# Altium PCB STM32MP25XXAK_2_DDR4.PcbDoc (part 1 of 6) (continued)
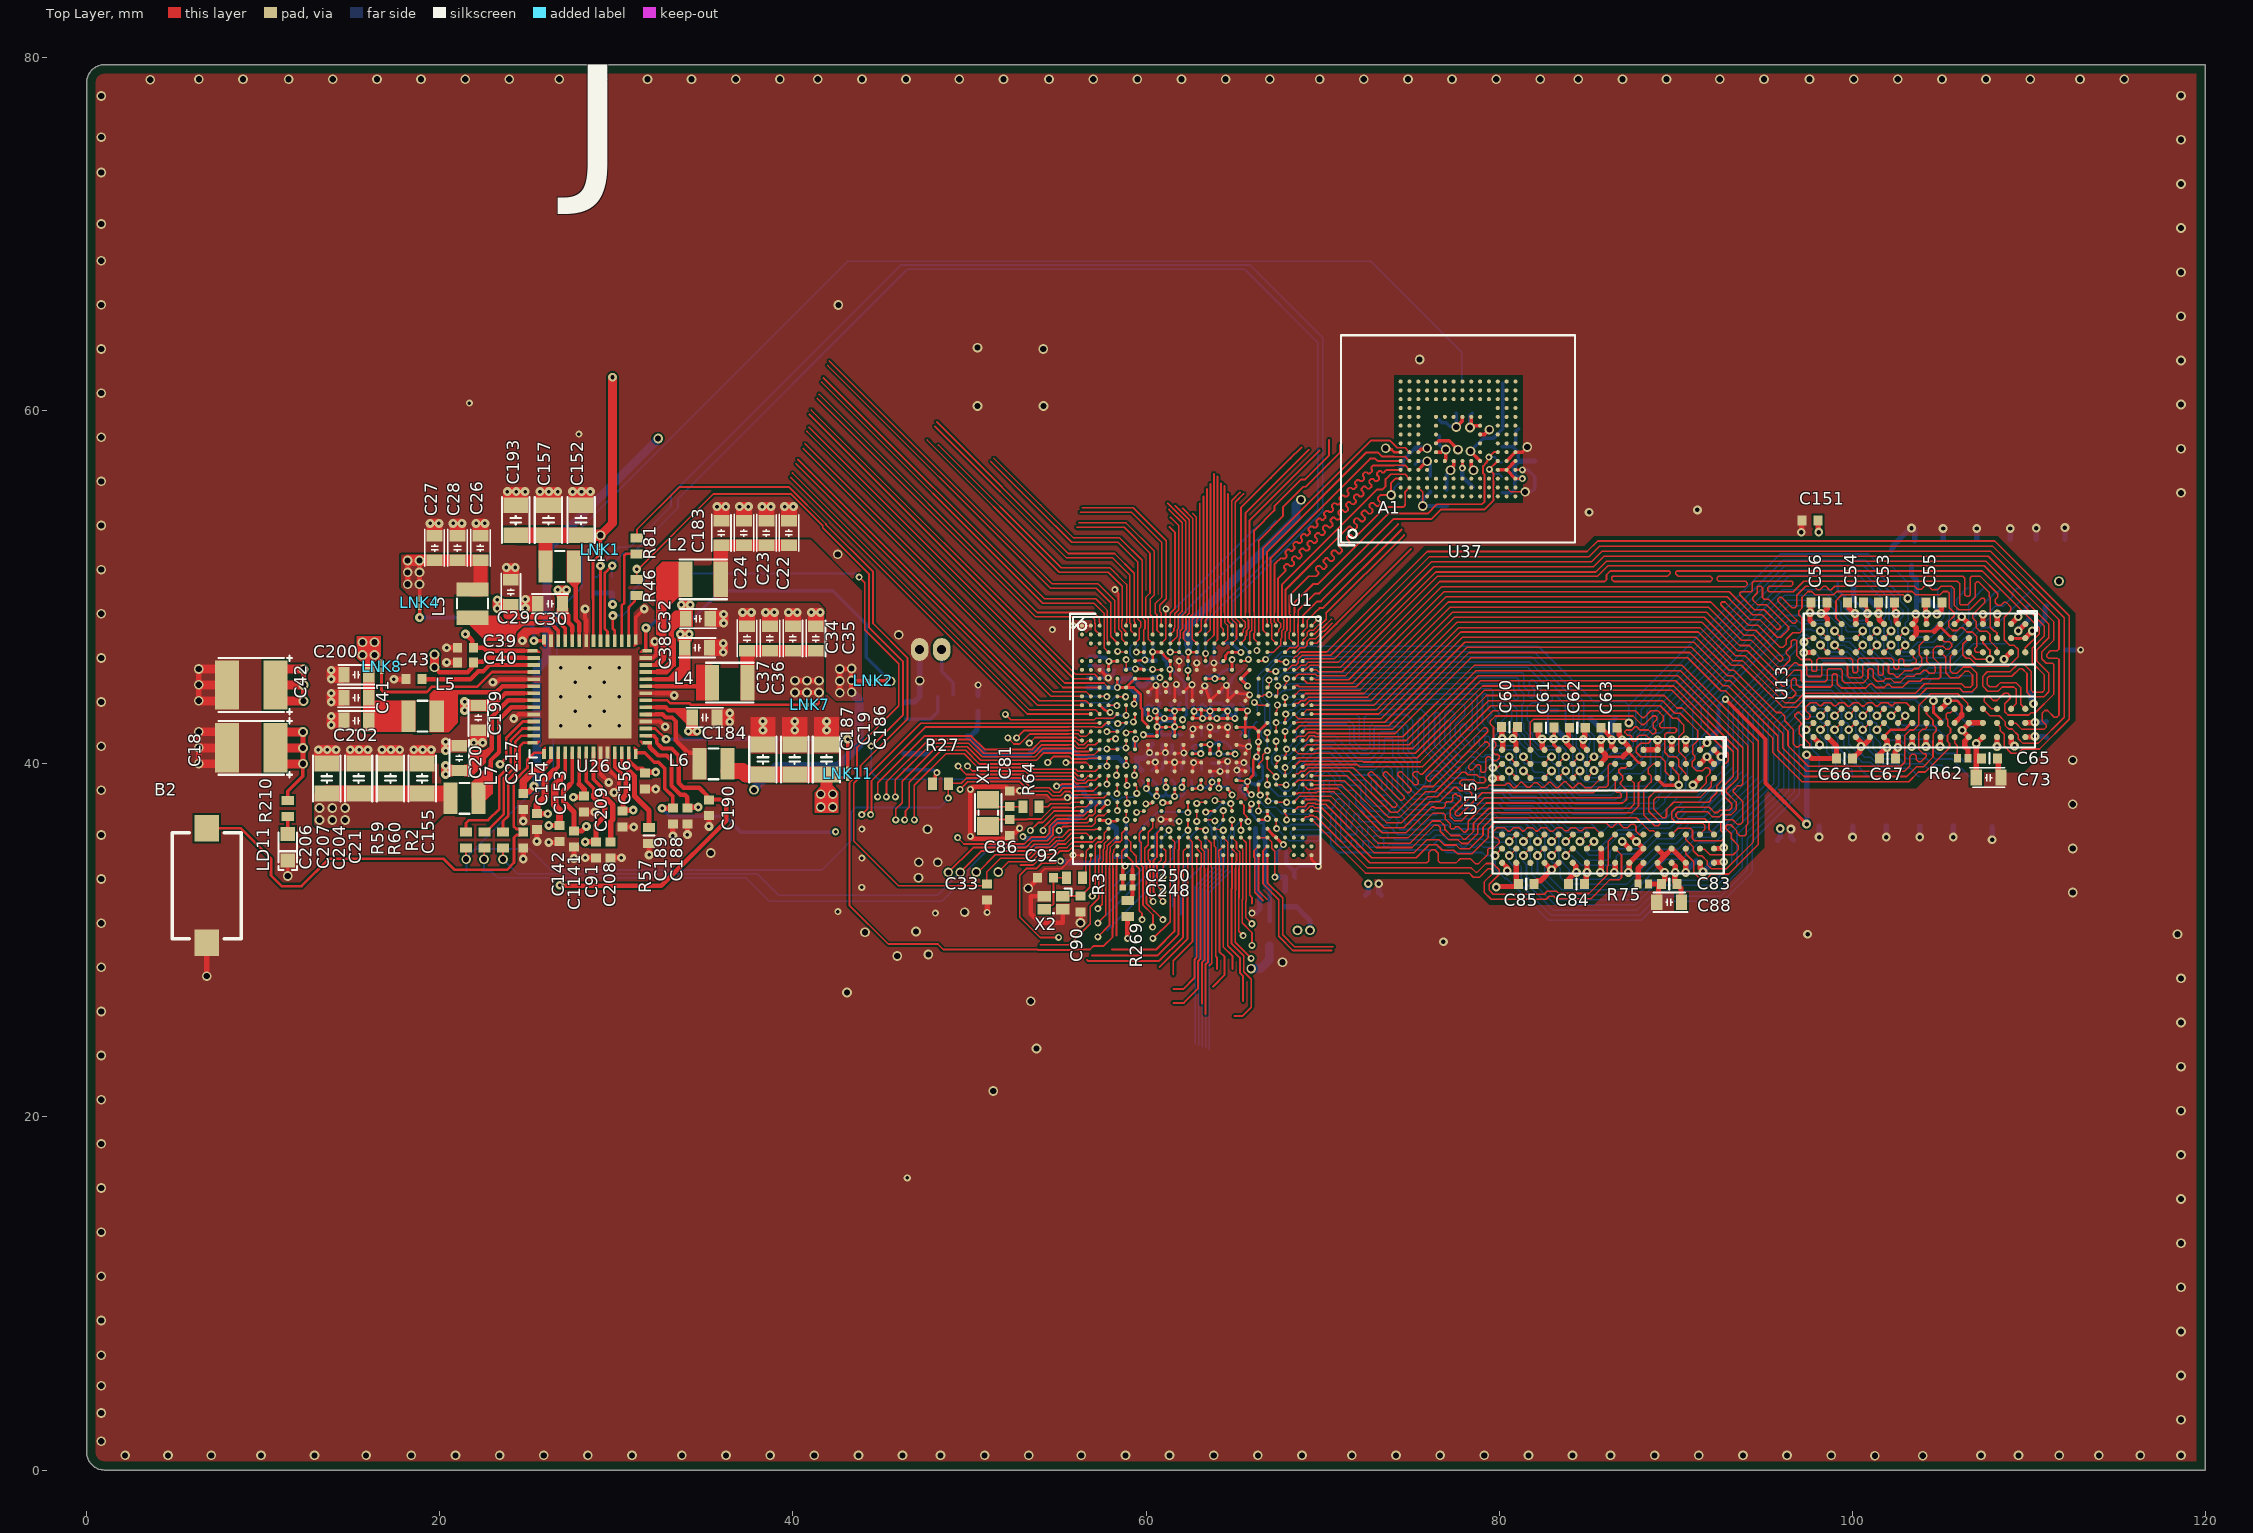
[diagram p0: Top Layer view]
## Part data
B2: library part MCD-03492, "Switch tactile, SPST-NO, 50mA, 12V, 6x3.8mm", Manufacturer="WURTH ELEKTRONIC", Manufacturer_Part_Number=434121025816, Package=6x3.8mm, Component_Country_Of_Origin=China°, ComponentLink1URL=http://tunmcdsvn.tun.st.com/Component_Documentation_Library/Trunk/Misc/WURTH_ELECTRONIK_434121025816, ID=5608, Internal_Part_Number=MCD-03492, Order_Code_Digikey=732-7045-2-ND, Order_Code_Farnell=1867991, Order_Code_RS=N/A, Part_Preference=Recommended, Part_Type=Misc, ShowFields=YES, Status=Checked
C1 C2 C3 C4 C5 C6 C7 C8 C10 C11 C12 C13 C44 C45 C46 C47 C48 C49 C50 C51 C52 C58 C59 C64 C68 C69 C70 C71 C72 C74 C75 C76 C77 C82: library part MCD-02377, "Capacitor, MLCC, 1uF, 6.3V, X5R, +/-20%, 0201, T=0,3mm", Manufacturer=MURATA, Manufacturer_Part_Number=GRM033R60J105MEA2, Package=0201, Component_Country_Of_Origin=Japan, ComponentLink1URL=http://tunmcdsvn.tun.st.com/Component_Documentation_Library/Trunk/Capacitor/MURATA_GRM_Series/GRM033R60J105MEA2/, ID=4483, Internal_Part_Number=MCD-02377, Order_Code_Digikey=490-7229-2-ND, Order_Code_Farnell=2470448, Order_Code_RS=820-0643, Part_Preference=Recommended, Part_Type=Capacitor, ShowFields=YES, Status=Checked
C9 C53 C54 C55 C56 C60 C61 C62 C63 C65 C66 C67 C83 C84 C85 C118 C130 C146 C147 C148 C149 C151 C158 C162 C170 C185 C197 C198 C203 C205 C212 C213 C214 C215 C216 C218 C219 C221: library part MCD-00006, "Capacitor, MLCC, 100nF, 16V, X7R, +/-10%, 0402, T=0.5mm", Alternate_Manufacturer=MURATA, Alternate_Manufacturer_Part_Number=GCM155R71C104KA55D, Manufacturer=YAGEO, Manufacturer_Part_Number=CC0402KRX7R7BB104, Package=0402, ComponentLink1Description=Datasheet, ComponentLink1URL=http://tunmcdsvn.tun.st.com/Component_Documentation_Library/Trunk/Capacitor/YAGEO_X7R_Series, Internal_Part_Number=MCD-00006, Order_Code_Digikey=311-1338-1-ND, Order_Code_Farnell=9402047, Order_Code_RS=616-9701, Part_Preference=Recommended, Part_Type=Capacitor, Status=Released
  C9 C118 C130: Alternate_EMS=M, Component_Country_Of_Origin=China, ID=2474, Partial_Alternate_Internal_Part_Number=MCD-03299, ShowFields=YES
C14: library part MCD-01823, "Capacitor, MLCC, 2.2uF, 6V3, X5R,+/-10%, 0402, T=0.5mm", Alternate_Manufacturer=N/A, Manufacturer=MURATA, Manufacturer_Part_Number=GRM155R60J225KE95D, Package=0402, Alternate_Manufacturer_Part_Number=N/A, Component_Country_Of_Origin=Japan, ComponentLink1URL=http://tunmcdsvn.tun.st.com/Component_Documentation_Library/Trunk/Capacitor/MURATA_GRM_Series, ID=3923, Internal_Part_Number=MCD-01823, Order_Code_Digikey=490-12532-1-ND, Order_Code_Farnell=2695865, Order_Code_RS=172-6478, Part_Preference=Recommended, Part_Type=Capacitor, ShowFields=YES, Status=Released
C15 C250 C252 C260: library part MCD-02377, "Capacitor, MLCC, 1uF, 6.3V, X5R, +/-20%, 0201, T=0,3mm", Alternate_Manufacturer=N/A, Manufacturer=MURATA, Manufacturer_Part_Number=GRM033R60J105MEA2, Package=0201, Alternate_Manufacturer_Part_Number=N/A, Component_Country_Of_Origin=Japan, ComponentLink1URL=http://tunmcdsvn.tun.st.com/Component_Documentation_Library/Trunk/Capacitor/MURATA_GRM_Series/GRM033R60J105MEA2/, ID=4483, Internal_Part_Number=MCD-02377, Order_Code_Digikey=490-7229-2-ND, Order_Code_Farnell=2470448, Order_Code_RS=820-0643, Part_Preference=Recommended, Part_Type=Capacitor, ShowFields=YES, Status=Checked
C16 C17 C192 C195 C196 C201 C220 C234 C236 C237 C238 C239 C240 C244 C246 C248 C251 C253: library part MCD-01535, "Capacitor, MLCC,100nF, 10V, X7R, +/-10%, 0201, T=0.3mm", Alternate_Manufacturer=N/A, Manufacturer=MURATA, Manufacturer_Part_Number=GRM033R61A104KE15, Package=0201, Alternate_Manufacturer_Part_Number=N/A, Component_Country_Of_Origin=Japan, ComponentLink1URL=http://tunmcdsvn.tun.st.com/Component_Documentation_Library/Trunk/Capacitor/MURATA_GRM_Series, ID=3635, Internal_Part_Number=MCD-01535, Order_Code_Digikey=490-5881-1-ND, Order_Code_Farnell=2470450, Order_Code_RS=790-2742, Part_Preference=Recommended, Part_Type=Capacitor, ShowFields=YES, Status=Checked
C18 C42: library part MCD-01796, "Capacitor, Tantalum, 100uF, 6V3, 40mR, +/-20%,  Type_B (3528 metric), T=1.9mm", Manufacturer=AVX, Manufacturer_Part_Number=TCJB107M006R0040, Package="3528 (metric)", Component_Country_Of_Origin=Lanskroun, ComponentLink1URL=http://tunmcdsvn.tun.st.com/Component_Documentation_Library/Trunk/Capacitor/AVX_TCJ_Series, ID=3896, Internal_Part_Number=MCD-01796, Order_Code_Digikey=478-9994-2-ND, Order_Code_Farnell=2728622, Order_Code_RS=N/A, Part_Preference=Recommended, Part_Type=Capacitor, Revision="July-2002: Re-released for DXP Platform.", ShowFields=YES, Status=Released
C19 C21 C152 C157 C186 C187 C193 C204 C206 C207: library part MCD-03139, "Capacitor, MLCC, 22uF, 10V, X5R, +/-20%, 0805, T=1,25mm", Manufacturer=MURATA, Manufacturer_Part_Number=GRM21BR61A226ME51L, Package=0805, Component_Country_Of_Origin="China, Japan", ComponentLink1URL=http://tunmcdsvn.tun.st.com/Component_Documentation_Library/Trunk/Capacitor/MURATA_GRM_Series, ID=5255, Internal_Part_Number=MCD-03139, Order_Code_Digikey=490-10511-2-ND, Order_Code_Farnell=2494270, Order_Code_RS=N/A, Part_Preference=Recommended, Part_Type=Capacitor, ShowFields=YES, Status=Checked
C20 C29 C30 C32 C38 C184 C199: library part MCD-00099, "Capacitor, MLCC, 10uF, 10V, X5R, +/-10%, 0603, T=0,8mm", Alternate_Manufacturer=N/A, Manufacturer=MURATA, Manufacturer_Part_Number=GRM188R61A106KE69D, Package=0603, Alternate_Manufacturer_Part_Number=N/A, Component_Country_Of_Origin=Japan, ComponentLink1Description=Part_Information, ComponentLink1URL=http://tunmcdsvn.tun.st.com/Component_Documentation_Library/Trunk/Capacitor/MURATA_GRM_Series, ID=2770, Internal_Part_Number=MCD-00099, Order_Code_Digikey=490-10474-1-ND, Order_Code_Farnell=2494233, Order_Code_RS=170-6168, Part_Preference=Recommended, Part_Type=Capacitor, ShowFields=YES, Status=Released
C22 C23 C24 C26 C27 C28 C34 C35 C36 C37 C41 C145 C183 C200 C202 C211: library part MCD-00100, "Capacitor, MLCC, 22uF, 6V3, X5R, +/-20%, 0603, T=0,8mm", Alternate_Manufacturer=N/A, Manufacturer=MURATA, Manufacturer_Part_Number=GRM188R60J226MEA0J, Package=0603, Alternate_Manufacturer_Part_Number=N/A, ComponentLink1URL=http://tunmcdsvn.tun.st.com/Component_Documentation_Library/Trunk/Capacitor/MURATA_GRM_Series, Internal_Part_Number=MCD-00100, Order_Code_Digikey=490-7612-2-ND, Order_Code_Farnell=N/A, Order_Code_RS=N/A, Part_Preference=Recommended, Part_Type=Capacitor, Status=Released
  C22 C23 C24 C26 C27 C28 C34 C35 C36 C37 C41 C183 C200 C202: Component_Country_Of_Origin=Japan, ComponentLink1Description=Part_Information, ID=2766, ShowFields=YES
  C145 C211: ComponentLink1Description=Datasheet
C33: library part MCD-00011, "Capacitor, MLCC, 10nF, 16V, X7R, 10%, 0402, T=0.5mm", Manufacturer=YAGEO, Manufacturer_Part_Number=CC0402KRX7R7BB103, Package=C0402, ComponentLink1Description=Datasheet, ComponentLink1URL=http://tunmcdsvn.tun.st.com/Component_Datasheet_Library/Trunk/Capacitors/Yageo_Multilayer_Capacitor_X7R_series_100pF_to_22uF, ECCN_EU=n/a, ECCN_US=n/a, Initial_Board_Reference=MB1274, Internal_Part_Number=MCD-00011, Part_Type=Capacitor, Provided_By=SUBCO, Status=Released
C39 C40: library part MCD-03140, "Capacitor, MLCC, 10uF, 6.3V, X5R, +/-20%, 0402, T=0.5mm", Manufacturer=MURATA, Manufacturer_Part_Number=GRM155R60J106ME05D, Package=0402, ComponentLink1URL=http://tunmcdsvn.tun.st.com/Component_Documentation_Library/Trunk/Capacitor/MURATA_GRM_Series, ID=5256, Internal_Part_Number=MCD-03140, Order_Code_Digikey=490-GRM155R60J106ME05DTR-ND, Order_Code_Farnell=3784428, Order_Code_RS=N/A, Part_Preference=Recommended, Part_Type=Capacitor, ShowFields=YES
  C39: Status=New
  C40: Component_Country_Of_Origin="China, Japan", Status=Checked
C43 C153 C154 C188: library part MCD-00095, "Capacitor, MLCC, 1uF, 25V, X5R, +/-10%, 0402, T=0.5mm", Manufacturer=MURATA, Manufacturer_Part_Number=GRM155R61E105KA12, Package=0402, Component_Country_Of_Origin=Japan, ComponentLink1URL=http://tunmcdsvn.tun.st.com/Component_Documentation_Library/Trunk/Capacitor/MURATA_GRM_Series, ID=2772, Internal_Part_Number=MCD-00095, Order_Code_Digikey=490-10017-1-ND, Order_Code_Farnell=2218855, Order_Code_RS=846-7287, Part_Preference=Recommended, Part_Type=Capacitor, ShowFields=YES, Status=Released
C73 C88 C150 C194: library part MCD-01341, "Capacitor, MLCC, 10uF, 6V3, X5R, +/-20%, 0603, T=0,8mm", Alternate_Manufacturer=MURATA, Alternate_Manufacturer_Part_Number=GRM188R60J106ME84D, Manufacturer_Part_Number=GRM188R60J106ME47D, Package=0603, ComponentLink1URL=http://tunmcdsvn.tun.st.com/Component_Documentation_Library/Trunk/Capacitor/MURATA_GRM_Series, Internal_Part_Number=MCD-01341, Manufacturer=MURATA, Order_Code_Digikey=490-3896-1-ND, Order_Code_Farnell=1735528, Order_Code_RS=N/A, Part_Preference=Recommended, Part_Type=Capacitor, Status=Released
C79 C117 C128: library part MCD-02606, "Capacitor, MLCC, 2.2uF, 6.3V, X5R, +/-10%, 0402, T=0.5mm", Manufacturer=YAGEO, Manufacturer_Part_Number=CC0402KRX5R5BB225, Package=0402, Component_Country_Of_Origin=China°, ComponentLink1URL=http://tunmcdsvn.tun.st.com/Component_Documentation_Library/Trunk/Capacitor/YAGEO_X5R_Series, ID=4712, Internal_Part_Number=MCD-02606, Order_Code_Digikey=311-1682-2-ND, Order_Code_Farnell=3366429, Order_Code_RS=1992205, Part_Preference=Recommended, Part_Type=Capacitor, ShowFields=YES, Status=Checked
C81 C86 C90 C92: library part MCD-00674, "Capacitor, MLCC, 6.8pF, 50V, NPO, +-0.25pF, 0402, T=0.5mm", Alternate_Manufacturer=N/A, Manufacturer=YAGEO, Manufacturer_Part_Number=CC0402CRNPO9BN6R8, Package=0402, Alternate_Manufacturer_Part_Number=N/A, Component_Country_Of_Origin=China, ComponentLink1Description=Datasheet, ComponentLink1URL=http://tunmcdsvn.tun.st.com/Component_Documentation_Library/Trunk/Capacitor/YAGEO_NP0_Series, ID=3068, Initial_Board_Reference=MB1319, Internal_Part_Number=MCD-00674, Order_Code_Digikey=311-3327-1-ND, Order_Code_Farnell=N/A, Order_Code_RS=N/A, Part_Preference=Recommended, Part_Type=Capacitor, Provided_By=SUBCO, ShowFields=YES, Status=Released
  C81 C86: Item Type=Item, Path=ws/MCD_ApplicationBoards/Lists/MCDPARTSdatabase
  C90 C92: ECCN_EU=n/a, ECCN_US=n/a
C87: library part MCD-00006, "Capacitor,100nF,16V,X7R,10%,0402", Alternate_Manufacturer=MURATA, Alternate_Manufacturer_Part_Number=GCM155R71C104KA55D, Manufacturer=YAGEO, Manufacturer_Part_Number=CC0402KRX7R7BB104, Package=0402, Alternate_EMS=M, Component_Country_Of_Origin=China, ComponentLink1Description=Datasheet, ComponentLink1URL=http://tunmcdsvn.tun.st.com/Component_Documentation_Library/Trunk/Capacitor/YAGEO_X7R_Series, ECCN_EU=n/a, ECCN_US=n/a, ID=2474, Initial_Board_Reference=MB1274, Internal_Part_Number=MCD-00006, Order_Code_Digikey=311-1338-1-ND, Order_Code_Farnell=9402047, Order_Code_RS=616-9701, Part_Preference=Recommended, Part_Type=Capacitor, Partial_Alternate_Internal_Part_Number=MCD-03299, Provided_By=SUBCO, ShowFields=YES, Status=Released
C91 C142 C156 C189 C190 C208 C209 C217 C1141: library part MCD-01356, "Capacitor, MLCC, 4.7uF, 6V3, X5R, +/-20%, 0402, T=0.5mm", Manufacturer=MURATA, Manufacturer_Part_Number=GRM155R60J475ME47, Package=0402, Component_Country_Of_Origin=Japan, ComponentLink1URL=http://tunmcdsvn.tun.st.com/Component_Documentation_Library/Trunk/Capacitor/MURATA_GRM_Series, ID=3456, Internal_Part_Number=MCD-01356, Order_Code_Digikey=490-5915-1-ND, Order_Code_Farnell=2666407, Order_Code_RS=814-5230, Part_Preference=Recommended, Part_Type=Capacitor, ShowFields=YES, Status=Released
C155: library part MCD-02198, "Capacitor, MLCC, 10nF, 50V, X7R, +/-10%, 0402, T=0.5mm", Manufacturer=YAGEO, Manufacturer_Part_Number=CC0402KRX7R9BB103, Package=0402, Component_Country_Of_Origin=China, ComponentLink1URL=http://tunmcdsvn.tun.st.com/Component_Documentation_Library/Trunk/Capacitor/YAGEO_X7R_Series, ID=4298, Internal_Part_Number=MCD-02198, Order_Code_Digikey=N/A, Order_Code_Farnell=N/A, Order_Code_RS=6169644, Part_Preference=Recommended, Part_Type=Capacitor, ShowFields=YES, Status=Checked
C225: library part MCD-01534, "Capacitor, MLCC, 4,7uF, 6V3, X5R, +/-20%, 0201, T=0.5mm", Alternate_Manufacturer=N/A, Manufacturer=MURATA, Manufacturer_Part_Number=GRM035R60J475ME15, Package=0201, Alternate_Manufacturer_Part_Number=N/A, Component_Country_Of_Origin=Japan, ComponentLink1URL=http://tunmcdsvn.tun.st.com/Component_Documentation_Library/Trunk/Capacitor/MURATA_GRM_Series, ID=3634, Internal_Part_Number=MCD-01534, Order_Code_Digikey=490-13230-1-ND, Order_Code_Farnell=N/A, Order_Code_RS=N/A, Part_Preference=Recommended, Part_Type=Capacitor, ShowFields=YES, Status=Checked
C235: library part MCD-02235, "Capacitor, MLCC, 2.2uF, 10V, X5R,+/-10%, 0201, T=0.5mm", Manufacturer=MURATA, Manufacturer_Part_Number=GRM033R61A225KE47D, Package=0201, Component_Country_Of_Origin=Japan, ComponentLink1URL=http://tunmcdsvn.tun.st.com/Component_Documentation_Library/Trunk/Capacitor/MURATA_GRM_Series, ID=4335, Internal_Part_Number=MCD-02235, Order_Code_Digikey=490-13227-1-ND, Order_Code_Farnell=NA, Order_Code_RS=NA, Part_Preference=Recommended, Part_Type=Capacitor, ShowFields=YES, Status=Checked
CN12: library part MCD-00655, "Header 2 circuits, 1.25mm Pitch ,  Vertical, with Friction Lock", Alternate_Manufacturer=N/A, Manufacturer=MOLEX, Manufacturer_Part_Number=53047-0210, Alternate_Manufacturer_Part_Number=N/A, BMS_Part_Number=9083002, Component_Country_Of_Origin=Unknown, ComponentLink1Description=Datasheet, ComponentLink1URL=http://tunmcdsvn.tun.st.com/Component_Documentation_Library/Trunk/Connector/MOLEX_53047-0210/, ECCN_EU=n/a, ECCN_US=n/a, ID=3091, Initial_Board_Reference=MB1272, Internal_Part_Number=MCD-00655, Order_Code_Digikey=WM1731-ND, Order_Code_Farnell=9733051, Order_Code_RS=279-9213, Part_Preference=Recommended, Part_Type=Connector, Provided_By=SUBCO, ShowFields=YES, Status=Released
D6: library part MCD-03280, "Diode, Schottky, Dual Common Cathode, 0V3, 300mA, 40V, SOT-23", Manufacturer=STMICROELECTRONICS, Manufacturer_Part_Number=BAT54CFILM, Package=SOT-23, Component_Country_Of_Origin=China, ComponentLink1URL=http://tunmcdsvn.tun.st.com/Component_Documentation_Library/Trunk/Diode/STMICROELECTRONICS_BAT54_Series, Full_Alternate_Internal_Part_Number="BAT54C+, BAT54CLT1G, BAT54C-7-F, BAT54C,215", ID=5396, Internal_Part_Number=MCD-03280, Order_Code_Digikey=N/A, Order_Code_Farnell=9801499, Order_Code_RS=795-8397, Part_Preference=Recommended, Part_Type=Diode, ShowFields=YES, Status=New
D7: library part MCD-00034, Manufacturer=STMICROELECTRONICS, Manufacturer_HQ_COO=EU, BMS_Part_Number=9151097, Component_Country_Of_Origin=China, ComponentLink1URL=http://tunmcdsvn.tun.st.com/Component_Datasheet_Library/Trunk/Diodes/STM_Diode_BAT60JFILM-SOD323, ID=2483, Internal_Part_Number=MCD-00034, Manufacturer_Part_Number=BAT60JFILM, Part_Preference=Recommended, Part_Type=Diode, ShowFields=YES, Status=Released
L1 L6: library part MCD-03143, "Inductor, 2.2uH, +/-20%, Itemp= 1700mA, Isat= 2400mA, 0R140, 0806, T=1mm", Manufacturer=MURATA, Manufacturer_Part_Number=DFE201610E-2R2M=P2, Package=0806, Component_Country_Of_Origin=Vietnam, ComponentLink1URL=http://tunmcdsvn.tun.st.com/Component_Documentation_Library/Trunk/Inductor/MURATA_DFE201610E_Series, ID=5259, Internal_Part_Number=MCD-03143, Order_Code_Digikey="490-17728-2-ND -", Order_Code_Farnell=N/A, Order_Code_RS=N/A, Part_Preference=Recommended, Part_Type=Inductor, ShowFields=YES, Status=Checked
L2 L4: library part MCD-03142, "Inductor, 0.68uH, +/-20%, Itemp= 3900mA, Isat= 5400mA, 0R031, 1008, T=1.2mm", Manufacturer=MURATA, Manufacturer_Part_Number=DFE252012F-R68M=P2, Package=1008, Component_Country_Of_Origin=Vietnam, ComponentLink1URL=http://tunmcdsvn.tun.st.com/Component_Documentation_Library/Trunk/Inductor/MURATA_DFE252012F-6R8M=P2, ID=5258, Internal_Part_Number=MCD-03142, Order_Code_Digikey=490-13044-2-ND, Order_Code_Farnell=N/A, Order_Code_RS=N/A, Part_Preference=Recommended, Part_Type=Inductor, ShowFields=YES, Status=Checked
L3 L5 L7: library part MCD-03141, "Inductor, 0.68uH, +/-20%, Itemp= 3100mA, Isat= 4300mA, 0R043, 0806, T=1mm", Manufacturer=MURATA, Manufacturer_Part_Number=DFE201610E-R68M=P2, Package=0806, Component_Country_Of_Origin=Vietnam, ComponentLink1URL=http://tunmcdsvn.tun.st.com/Component_Documentation_Library/Trunk/Inductor/MURATA_DFE201610E_Series, ID=5257, Internal_Part_Number=MCD-03141, Order_Code_Digikey=N/A, Order_Code_Farnell=N/A, Order_Code_RS=N/A, Part_Preference=Recommended, Part_Type=Inductor, ShowFields=YES, Status=Checked
LD11: library part MCD-00588, "LED Green, 0603 SMD, Forward Voltage Typ=2V, Max=2.5V", Alternate_Manufacturer="VISHAY SEMICONDUCTOR OPTO DIVISION", Alternate_Manufacturer_Part_Number=VLMTG1300-GS08, Manufacturer="OSRAM OPTO SEMICONDUCTORS", Manufacturer_Part_Number="LG Q396-PS-35", Package="LED 0603", Alternate_Internal_Part_Number=MCD-02400, Component_Country_Of_Origin=Unknown, ComponentLink1Description=Datasheet, ComponentLink1URL=http://tunmcdsvn.tun.st.com/Component_Documentation_Library/Trunk/Display/OSRAM_OPTO_SEMICONDUCTORS_LG-Q396-PS-35, ECCN_EU=n/a, ECCN_US=n/a, Full_Alternate_Internal_Part_Number=MCD-02400, ID=3155, Internal_Part_Number=MCD-00588, Order_Code_Digikey="LG Q396-PS-35-ND", Order_Code_Farnell=N/A, Order_Code_RS=N/A, Part_Preference=Recommended, Part_Type=Display, Provided_By=SUBCO, ShowFields=YES, Status=Released
LNK1 LNK2 LNK4 LNK7 LNK8 LNK11: library part MCD-02777, "Track link on PCB 200um width for layout routing", Manufacturer=N/A, ComponentLink1URL=http://tunmcdsvn.tun.st.com/Component_Documentation_Library/Trunk, ID=4889, Internal_Part_Number=MCD-02777, Manufacturer_Part_Number=link_200, Order_Code_Digikey=N/A, Order_Code_Farnell=N/A, Order_Code_RS=N/A, Part_Preference=Recommended, Part_Type=Misc, ShowFields=YES, Status=Checked
R2 R3 R46 R57 R59 R60 R64 R81 R267 R269 R286: library part MCD-00052, "Resistor,0R,0402,5%,1/16W", Alternate_Manufacturer=N/A, Manufacturer=YAGEO, Manufacturer_Part_Number=RC0402JR-070RL, Package=0402, Alternate_Manufacturer_Part_Number=N/A, Component_Country_Of_Origin=China, ComponentLink1Description=Datasheet, ComponentLink1URL=http://tunmcdsvn.tun.st.com/Component_Documentation_Library/Trunk/Resistor/YAGEO_RC_L_Series, ID=2540, Initial_Board_Reference=mb1274, Internal_Part_Number=MCD-00052, Order_Code_Digikey=311-0.0JRCT-ND, Order_Code_Farnell=9232516RL, Order_Code_RS=618-5804, Part_Preference=Recommended, Part_Type=Resistor, Provided_By=SUBCO, ShowFields=YES, Status=Released
  R2 R46 R57 R59 R60 R81 R267 R269 R286: ECCN_EU=NEC, ECCN_US=EAR99
  R3 R64: ECCN_EU=n/a, ECCN_US=n/a
R11: library part MCD-00056, "Resistor, 0R, 0603, +/-5%, 1/10W", Manufacturer=YAGEO, Manufacturer_Part_Number=RC0603JR-070RL, Package=0603, Component_Country_Of_Origin=China, ComponentLink1URL=http://tunmcdsvn.tun.st.com/Component_Documentation_Library/Trunk/Resistor/YAGEO_RC_L_Series, ID=2536, Internal_Part_Number=MCD-00056, Order_Code_Digikey=311-0.0GRCT-ND, Order_Code_Farnell=9233130RL, Order_Code_RS=N/A, Part_Preference=Recommended, Part_Type=Resistor, ShowFields=YES, Status=Released
R27 R163 R272: library part MCD-00053, "Resistor,10K,0402,1%,1/16W", Alternate_Manufacturer=N/A, Manufacturer=YAGEO, Manufacturer_Part_Number=RC0402FR-0710KL, Package=0402, Alternate_Manufacturer_Part_Number=N/A, BMS_Part_Number=9131590, ComponentLink1Description=Datasheet, ComponentLink1URL=http://tunmcdsvn.tun.st.com/Component_Documentation_Library/Trunk/Resistor/YAGEO_RC_L_Series, Internal_Part_Number=MCD-00053, Order_Code_Digikey=311-10.0KLRCT-ND, Order_Code_Farnell=9239359, Order_Code_RS=N/A, Part_Preference=Recommended, Part_Type=Resistor, Status=Released
  R27 R272: Component_Country_Of_Origin=China, ID=2539, ShowFields=YES
R62 R75 R174: library part MCD-02253, "Resistor,240R,0201,1%,1/20W", Alternate_Manufacturer=N/A, Manufacturer=YAGEO, Manufacturer_Part_Number=RC0201FR-07240RL, Package=R0201, Alternate_Manufacturer_Part_Number=N/A, ComponentLink1URL=http://tunmcdsvn.tun.st.com/Component_Datasheet_Library/Trunk/Resistors/Yageo_Resistor_RC0201-series, Internal_Part_Number=MCD-02253, Order_Code_Digikey=YAG2528CT-ND, Order_Code_Farnell=N/A, Order_Code_RS=N/A, Part_Preference=Recommended, Part_Type=Resistor, Status=Checked
R66: library part MCD-00058, "Resistor, 20R, 0402, +/-1%, 1/16W", Alternate_Manufacturer=N/A, Manufacturer=YAGEO, Manufacturer_Part_Number=RC0402FR-0720RL, Package=0402, Alternate_Manufacturer_Part_Number=N/A, BMS_Part_Number=9131027, Component_Country_Of_Origin=China, ComponentLink1URL=http://tunmcdsvn.tun.st.com/Component_Documentation_Library/Trunk/Resistor/YAGEO_RC_L_Series, ID=2537, Internal_Part_Number=MCD-00058, Order_Code_Digikey=311-20LRCT-ND, Order_Code_Farnell=1799192, Order_Code_RS=N/A, Part_Preference=Recommended, Part_Type=Resistor, ShowFields=YES, Status=Released
R67: library part MCD-00052, "Resistor, 0R, 0402, +/-5%, 1/16W", Manufacturer=YAGEO, Manufacturer_Part_Number=RC0402JR-070RL, Package=0402, Component_Country_Of_Origin=China, ComponentLink1URL=http://tunmcdsvn.tun.st.com/Component_Documentation_Library/Trunk/Resistor/YAGEO_RC_L_Series, ID=2540, Internal_Part_Number=MCD-00052, Order_Code_Digikey=311-0.0JRCT-ND, Order_Code_Farnell=9232516RL, Order_Code_RS=618-5804, Part_Preference=Recommended, Part_Type=Resistor, ShowFields=YES, Status=Released
R101 R103 R104 R248: library part MCD-00053, "Resistor,10K,0402,1%,1/16W", Manufacturer=YAGEO, Manufacturer_Part_Number=RC0402FR-0710KL, Package=0402, BMS_Part_Number=9131590, Component_Country_Of_Origin=China, ComponentLink1Description=Datasheet, ComponentLink1URL=http://tunmcdsvn.tun.st.com/Component_Documentation_Library/Trunk/Resistor/YAGEO_RC_L_Series, ECCN_EU=NEC, ECCN_US=EAR99, ID=2539, Internal_Part_Number=MCD-00053, Order_Code_Digikey=311-10.0KLRCT-ND, Order_Code_Farnell=9239359, Order_Code_RS=N/A, Part_Preference=Recommended, Part_Type=Resistor, Provided_By=SUBCO, ShowFields=YES, Status=Released
R141 R142 R146 R147: library part MCD-00061, "Resistor, 1K, 0402, +/-1%,1/16W", Manufacturer=YAGEO, Manufacturer_Part_Number=RC0402FR-071KL, Package=0402, Component_Country_Of_Origin=China, ComponentLink1URL=http://tunmcdsvn.tun.st.com/Component_Documentation_Library/Trunk/Resistor/YAGEO_RC_L_Series, ID=2532, Internal_Part_Number=MCD-00061, Order_Code_Digikey=311-1.00KLRCT-ND, Order_Code_Farnell=9239235, Order_Code_RS=9239235, Part_Preference=Recommended, Part_Type=Resistor, ShowFields=YES, Status=Released
R165 R166 R167 R168 R169 R170 R171 R175 R176 R177 R178 R180 R182 R183 R185 R186 R187 R188 R189 R190 R191 R192 R193 R194: library part MCD-00054, "Resistor, 56R, 0402, +/-1%, 1/16W", Alternate_Manufacturer=N/A, Manufacturer=YAGEO, Manufacturer_Part_Number=RC0402FR-0756RL, Package=0402, Alternate_Manufacturer_Part_Number=N/A, ComponentLink1URL=http://tunmcdsvn.tun.st.com/Component_Documentation_Library/Trunk/Resistor/YAGEO_RC_L_Series, Internal_Part_Number=MCD-00054, Order_Code_Digikey=311-56.0LRCT-ND, Order_Code_Farnell=9239081, Order_Code_RS=N/A, Part_Preference=Recommended, Part_Type=Resistor, Status=Released
R181: library part MCD-01819, "Resistor,100R,0402,0,5%,1/16W,±100ppm/°C", Alternate_Manufacturer=N/A, Manufacturer=YAGEO, Manufacturer_Part_Number=RC0402DR-07100RL, Package=0402, Alternate_Manufacturer_Part_Number=N/A, ComponentLink1Description=Datasheet, ComponentLink1URL=http://tunmcdsvn.tun.st.com/Component_Documentation_Library/Trunk/Resistor/YAGEO_RC_L_Series, Internal_Part_Number=MCD-01819, Order_Code_Digikey=RC0402DR-07100RL-ND, Order_Code_Farnell=N/A, Order_Code_RS=N/A, Part_Preference=Recommended, Part_Type=Resistor, Status=Released
R210: library part MCD-00441, "Resistor,270R,0402,1%,1/16W", Manufacturer=YAGEO, Manufacturer_Part_Number=RC0402FR-07270RL, Package=0402, Component_Country_Of_Origin=China, ComponentLink1Description=Datasheet, ComponentLink1URL=http://tunmcdsvn.tun.st.com/Component_Documentation_Library/Trunk/Resistor/YAGEO_RC_L_Series, ECCN_EU=NEC, ECCN_US=EAR99, ID=2838, Internal_Part_Number=MCD-00441, Order_Code_Digikey=311-270LRCT-ND, Order_Code_Farnell=9239162, Order_Code_RS=N/A, Part_Preference=Recommended, Part_Type=Resistor, Provided_By=SUBCO, ShowFields=YES, Status=Released
R260 R261: library part MCD-00068, "Resistor,1K5,0402,1%,1/16W", Manufacturer=YAGEO, Manufacturer_Part_Number=RC0402FR-071K5L, Package=0402, Component_Country_Of_Origin=China, ComponentLink1Description=Datasheet, ComponentLink1URL=http://tunmcdsvn.tun.st.com/Component_Documentation_Library/Trunk/Resistor/YAGEO_RC_L_Series, ID=2524, Internal_Part_Number=MCD-00068, Order_Code_Digikey=311-1.50KLRCT-ND, Order_Code_Farnell=9239251, Order_Code_RS=N/A, Part_Preference=Recommended, Part_Type=Resistor, ShowFields=YES, Status=Released
TP21: library part MCD-00074, "Test Point 1mm", Manufacturer=n/a, ComponentLink1Description=Datasheet, ComponentLink1URL=http://na, ECCN_EU=n/a, ECCN_US=n/a, ID=2518, Internal_Part_Number=MCD-00074, Manufacturer_Part_Number=n/a, Order_Code_Digikey=N/A, Order_Code_Farnell=N/A, Order_Code_RS=N/A, Part_Preference=Recommended, Part_Type=Misc, Provided_By=n/a, ShowFields=YES, Status=Released
U1: library part MCD-03375, "MPU , 2xCortex-A35@1.5GHz, Cortex-M33@400MHz, TFBGA 14x14, pitch 0.5, 648KB SRAM, With Crypto", Manufacturer=STMICROELECTRONICS, Package=TFBGA, Component_Country_Of_Origin=Unknown, ComponentLink1URL=http://tunmcdsvn.tun.st.com/Component_Documentation_Library/Trunk/IC/STMICROELECTRONICS_STM32MP257FAK3, ID=5491, Internal_Part_Number=MCD-03375, Manufacturer_Part_Number=STM32MP257FAK3, Order_Code_Digikey=N/A, Order_Code_Farnell=N/A, Order_Code_RS=N/A, Part_Preference=Recommended, Part_Type=IC, ShowFields=YES, Status=Checked
U13 U15: library part MCD-03523, "Memory, DDR4 SDRAM, 1V2, 16Gbit, FBGA96", Manufacturer=MICRON, Package=FBGA-96, Component_Country_Of_Origin=Taiwan°, ComponentLink1URL=http://tunmcdsvn.tun.st.com/Component_Documentation_Library/Trunk/IC/MICRON_MT40A1G16TB-062E-IT-F, ID=5639, Internal_Part_Number=MCD-03523, Manufacturer_Part_Number="MT40A1G16TB-062E IT:F", Order_Code_Digikey=N/A, Order_Code_Farnell=N/A, Order_Code_RS=N/A, Part_Preference=Recommended, Part_Type=IC, ShowFields=YES, Status=Checked
U26: library part MCD-03000, "STPMIC2", Manufacturer=STMICROELECTRONICS, Package=VQFN, Component_Country_Of_Origin=Unknown, ComponentLink1Description=Datasheet, ComponentLink1URL=http://tunmcdsvn.tun.st.com/Component_Documentation_Library/Trunk/IC/STMICROELECTRONICS_STPMIC2, ID=5116, Internal_Part_Number=MCD-03000, Manufacturer_Part_Number=STPMIC25APQR, Order_Code_Digikey=N/A, Order_Code_Farnell=N/A, Order_Code_RS=N/A, Part_Preference=Recommended, Part_Type=IC, ShowFields=YES, Status=Released
U37: library part MCD-02799, "Memory, eMMC, 4GB, 15nm ,WFBGA , 153 pins", Manufacturer=KIOXIA, Manufacturer_Part_Number=THGBMTG5D1LBAIL, Package=WFBGA153, Component_Country_Of_Origin=Unknown, ComponentLink1URL=http://tunmcdsvn.tun.st.com/Component_Documentation_Library/Trunk/IC/KIOXIA_THGBMTG5D1LBAIL, ID=4911, Internal_Part_Number=MCD-02799, Order_Code_Digikey=N/A, Order_Code_Farnell=N/A, Order_Code_RS=N/A, Part_Preference=Recommended, Part_Type=IC, ShowFields=YES, Status=Checked
X1: library part MCD-01479, "Crystal, 32.768kHz, 6pF, +/-20ppm, 80K, 2.05x1.2mm", Manufacturer=NDK, Manufacturer_Part_Number=NX2012SA-32.768KHZ-EXS00A-MU00527, Package=2.05x1.2mm, BMS_Part_Number=9157049, Component_Country_Of_Origin=Unknown, ComponentLink1URL=http://tunmcdsvn.tun.st.com/Component_Documentation_Library/Trunk/Crytal_Oscillator/NDK_NX2012SA_Series, ID=3579, Internal_Part_Number=MCD-01479, Order_Code_Digikey=644-1352, Order_Code_Farnell=N/A, Order_Code_RS=N/A, Part_Preference=Recommended, Part_Type=Crystal_Osc, ShowFields=YES, Status=Released
X2: library part MCD-02344, "Crystal, 40MHz, 6pF, +/-20ppm, 80R, 1.6x1.2mm", Manufacturer=NDK, Manufacturer_Part_Number=NX1612SA-40MHZ-EXS00A-CS13836, Package=1.6x1.2mm, Component_Country_Of_Origin=Unknown, ComponentLink1URL=http://tunmcdsvn.tun.st.com/Component_Documentation_Library/Trunk/Crytal_Oscillator/NDK_NX1612SA_Series/, ID=4450, Internal_Part_Number=MCD-02344, Order_Code_Digikey=N/A, Order_Code_Farnell=N/A, Order_Code_RS=N/A, Part_Preference=Recommended, Part_Type=Crystal_Osc, ShowFields=YES, Status=Checked

## Via types
v1: diameter 0.55, hole 0.35, Top Layer to Bottom Layer, 256 vias
v2: diameter 0.4, hole 0.2, Top Layer to Bottom Layer, tented both sides, 235 vias
v3: diameter 0.5, hole 0.2, Top Layer to Bottom Layer, 146 vias
v4: diameter 0.5, hole 0.25, Top Layer to Bottom Layer, 143 vias
v5: diameter 0.5, hole 0.25, Top Layer to Bottom Layer, tented both sides, 4 vias